# Altium PCB 3rd_eyes.PcbDoc (continued)
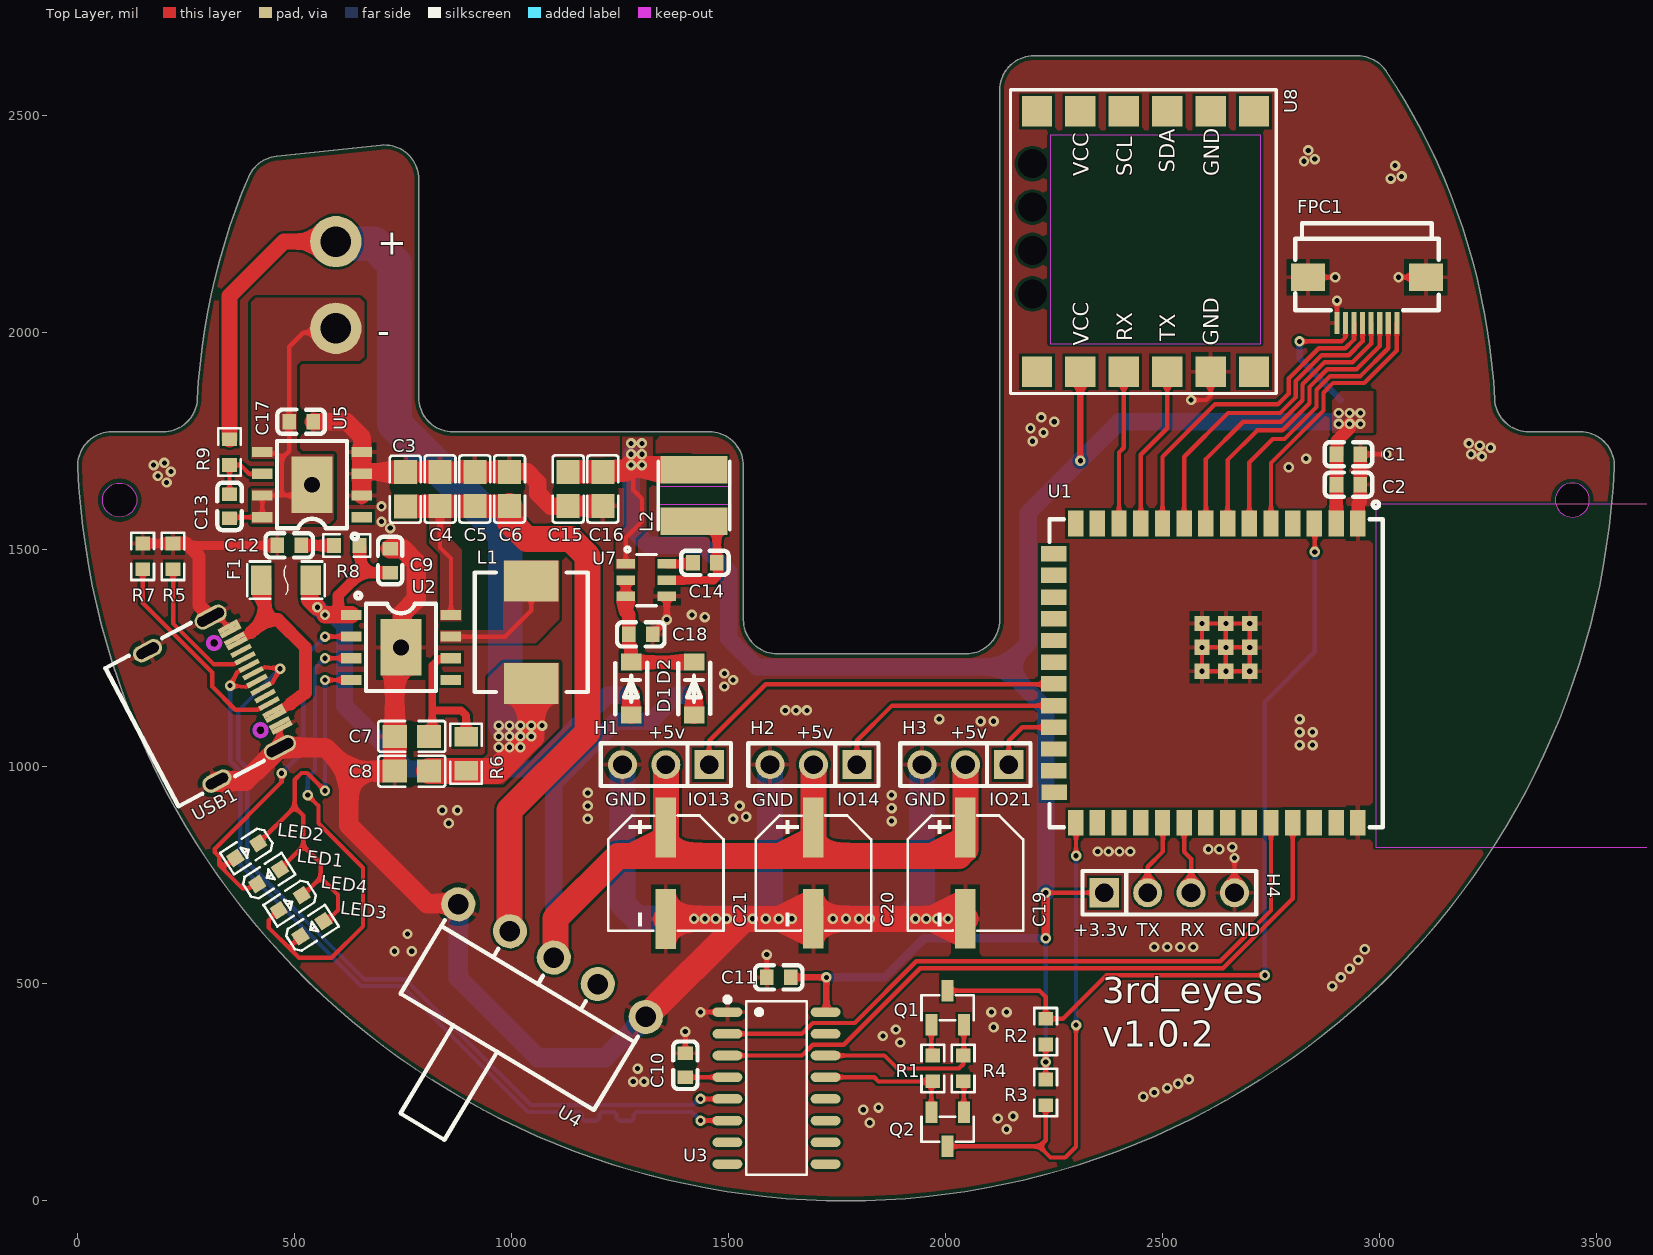
[diagram p0: Top Layer view]
## Footprints (in the part's own frame and the unit in brackets; to place one, negate y for a bottom-side part, rotate by r counter-clockwise, add the part's x,y. Pads: shape width x height; smd on the part's side, far side on the other; paste and mask are expansions set on the pad) (continued)
  Keep-Out Layer circle w0.254: c2.89,1.235 r0.35
  Keep-Out Layer circle w0.025: c2.89,1.235 r0.35
  Keep-Out Layer circle w0.254: c-2.89,1.235 r0.35
  Keep-Out Layer circle w0.025: c-2.89,1.235 r0.35
  silkscreen extent -4.57,-5.08 4.57,0.57, body extent -4.47,-4.93 4.47,2.88, height 3.25
WIRELM-SMD_ESP32-S3-WROOM-1U [mm]
  rect 1.5x0.9 smd paste+0 mask+0.05: 1(-8.75,8.895) 2(-8.75,7.625) 3(-8.75,6.355) 4(-8.75,5.085) 5(-8.75,3.815) 6(-8.75,2.545) 7(-8.75,1.275) 8(-8.75,0.005) 9(-8.75,-1.265) 10(-8.75,-2.535) 11(-8.75,-3.805) 12(-8.75,-5.075) 13(-8.75,-6.345) 14(-8.75,-7.615) 27(8.75,-7.615) 28(8.75,-6.345) 29(8.75,-5.075) 30(8.75,-3.805) 31(8.75,-2.535) 32(8.75,-1.265) 33(8.75,0.005) 34(8.75,1.275) 35(8.75,2.545) 36(8.75,3.815) 37(8.75,5.085) 38(8.75,6.355) 39(8.75,7.625) 40(8.75,8.895)
  rect 0.9x1.5 smd paste+0 mask+0.05: 15(-6.985,-8.895) 16(-5.715,-8.895) 17(-4.445,-8.895) 18(-3.175,-8.895) 19(-1.905,-8.895) 20(-0.635,-8.895) 21(0.635,-8.895) 22(1.905,-8.895) 23(3.175,-8.895) 24(4.445,-8.895) 25(5.715,-8.895) 26(6.985,-8.865)
  rect 0.9x0.9 smd: 41(-2.9,1.175) 41(-2.9,2.575) 41(-2.9,-0.225) 41(-1.5,2.575) 41(-1.5,1.175) 41(-1.5,-0.225) 41(-0.1,2.575) 41(-0.1,1.175) 41(-0.1,-0.225)
  silkscreen extent -10.04,-9.14 9.02,10.36, body extent -9.01,-9.11 9.01,10.1, height 3.21

## Part data
C1 C10 C11 C14: library part CL10B104KB8NNNC, JLCPCB Part Class="Extended Part", LCSC Part Name="100nF ±10% 50V", Manufacturer=SAMSUNG(三星), Temperature Coefficient=X7R, Tolerance=±10%, Voltage Rated=50V, Add into BOM=yes, Convert to PCB=yes, Datasheet=https://atta.szlcsc.com/upload/public/pdf/source/20160218/1457707763339.pdf, Device=CL10B104KB8NNNC, Manufacturer Part=CL10B104KB8NNNC, Supplier=LCSC, Supplier Footprint=0603, Supplier Part=C1591, Symbol=CL10B104KB8NNNC
C2: library part CL10A105KB8NNNC, JLCPCB Part Class="Basic Part", LCSC Part Name="1uF ±10% 50V", Manufacturer=SAMSUNG(三星), Temperature Coefficient=X5R, Tolerance=±10%, Voltage Rated=50V, Add into BOM=yes, Convert to PCB=yes, Datasheet=https://atta.szlcsc.com/upload/public/pdf/source/20160218/1457707763339.pdf, Device=CL10A105KB8NNNC, Manufacturer Part=CL10A105KB8NNNC, Supplier=LCSC, Supplier Footprint=0603, Supplier Part=C15849, Symbol=CL10A105KB8NNNC
C3 C4 C5 C6 C7 C8 C15 C16: library part CL21A226MAQNNNE, JLCPCB Part Class="Basic Part", LCSC Part Name="22uF ±20% 25V", Manufacturer=SAMSUNG(三星), Temperature Coefficient=X5R, Tolerance=±20%, Voltage Rated=25V, Add into BOM=yes, Convert to PCB=yes, Datasheet=https://atta.szlcsc.com/upload/public/pdf/source/20160218/1457707763339.pdf, Device=CL21A226MAQNNNE, Manufacturer Part=CL21A226MAQNNNE, Supplier=LCSC, Supplier Footprint=0805, Supplier Part=C45783, Symbol=CL21A226MAQNNNE
C9 C12 C18: library part CL10A106MA8NRNC, JLCPCB Part Class="Basic Part", LCSC Part Name="10uF ±20% 25V", Manufacturer=SAMSUNG(三星), Temperature Coefficient=X5R, Tolerance=±20%, Voltage Rated=25V, Add into BOM=yes, Convert to PCB=yes, Datasheet=https://atta.szlcsc.com/upload/public/pdf/source/20160218/1457707763339.pdf, Device=CL10A106MA8NRNC, Manufacturer Part=CL10A106MA8NRNC, Supplier=LCSC, Supplier Footprint=0603, Supplier Part=C96446, Symbol=CL10A106MA8NRNC
C13: library part CL10A475KO8NNNC, JLCPCB Part Class="Basic Part", LCSC Part Name="4.7uF ±10% 16V", Manufacturer=SAMSUNG(三星), Temperature Coefficient=X5R, Tolerance=±10%, Voltage Rated=16V, Add into BOM=yes, Convert to PCB=yes, Datasheet=https://atta.szlcsc.com/upload/public/pdf/source/20160218/1457707763339.pdf, Device=CL10A475KO8NNNC, Manufacturer Part=CL10A475KO8NNNC, Supplier=LCSC, Supplier Footprint=0603, Supplier Part=C19666, Symbol=CL10A475KO8NNNC
C17: library part CL10A225KB8NNNC, JLCPCB Part Class="Extended Part", LCSC Part Name="2.2uF ±10% 50V", Manufacturer=SAMSUNG(三星), Temperature Coefficient=X5R, Tolerance=±10%, Voltage Rated=50V, Add into BOM=yes, Convert to PCB=yes, Datasheet=https://atta.szlcsc.com/upload/public/pdf/source/20160218/1457707763339.pdf, Device=CL10A225KB8NNNC, Manufacturer Part=CL10A225KB8NNNC, Supplier=LCSC, Supplier Footprint=0603, Supplier Part=C913904, Symbol=CL10A225KB8NNNC
C19 C20 C21: library part OVZ221M0JTR-0606, Equivalent Series Resistance(ESR)=-, JLCPCB Part Class="Extended Part", LCSC Part Name="220uF ±20% 6.3V", Lifetime @ Temp=2000hrs@105℃, Manufacturer=lelon(立隆), Operating Temperature=-55℃~+105℃, Ripple Current=3.16A@100kHz, Tolerance=±20%, Voltage Rated=6.3V, Add into BOM=yes, Convert to PCB=yes, Datasheet=https://atta.szlcsc.com/upload/public/pdf/source/20180224/C182403_15194369721561364002.pdf, Device=OVZ221M0JTR-0606, Diameter=6.3mm, Height - Seated (Max)=5.9mm, Lead Spacing=-, Manufacturer Part=OVZ221M0JTR-0606, Supplier=LCSC, Supplier Footprint=SMD,D6.3xL5.9mm, Supplier Part=C182403, Symbol=OVZ221M0JTR-0606, Type=-
D1 D2: Forward Voltage (Vf@If)=550mV@1A, JLCPCB Part Class="Extended Part", LCSC Part Name="电压:40V 电流:1A", Manufacturer=Hottech(合科泰), Rectified Current=1A, Reverse Voltage (Vr)=40V, Add into BOM=yes, Convert to PCB=yes, Datasheet=https://atta.szlcsc.com/upload/public/pdf/source/20220428/72E7AB72DDDD17C14C2A3F6F251D8FA3.pdf, Device=SS14L, Manufacturer Part=SS14L, Supplier=LCSC, Supplier Footprint=SOD-123FL, Supplier Part=C190475, Symbol=SS14L_C190475
F1: Breaking Capacity=50A, Current Rating=3A, JLCPCB Part Class="Extended Part", LCSC Part Name=贴片式保险丝, Manufacturer=LANSON(良胜), Operating Temperature=-55℃~+125℃, Voltage Rating (DC)=63V, Add into BOM=yes, Convert to PCB=yes, Datasheet=https://atta.szlcsc.com/upload/public/pdf/source/20180301/C182975_15198945731771384144.pdf, Device=12H1300C, Manufacturer Part=12H1300C, Supplier=LCSC, Supplier Footprint=1206, Supplier Part=C182445, Symbol=12H1300C, Type=贴片式保险丝
FPC1: JLCPCB Part Class="Extended Part", LCSC Part Name="间距:0.5mm P数:8P 翻盖式 下接", Manufacturer=JS(钜硕电子), Add into BOM=yes, Contact Type=下接, Convert to PCB=yes, Datasheet=https://atta.szlcsc.com/upload/public/pdf/source/20190816/C413942_2A72D1AC756EAE17EEDF756A339D4500.pdf, Device=AFC01-S08FCA-00, FFC, FCB Thickness=0.3mm, Height Above Board=2mm, Locking Feature=翻盖式, Manufacturer Part=AFC01-S08FCA-00, Mounting Type=卧贴, Number of Contacts=8P, Pitch=0.5mm, Supplier=LCSC, Supplier Footprint=SMD,P=0.5mm,卧贴, Supplier Part=C262657, Symbol=AFC01-S08FCA-00
H1 H2 H3: Color=黑色, Current Rating (Max)=3A, JLCPCB Part Class="Extended Part", LCSC Part Name="间距:2.54mm 1x3P 直插 方针", Manufacturer=XFCN(兴飞), Operating Temperature Range=-40℃~+105℃, Voltage Rating (Max)=250V, Add into BOM=yes, Circluar Pins/Square Pins=方针, Convert to PCB=yes, Datasheet=https://atta.szlcsc.com/upload/public/pdf/source/20200309/C492402_8335C3D49C4E4C618838D59BB1D024C1.pdf, Device=PZ254V-11-03P, Insulation Height=2.5mm, Length of End Connection Pin=3mm, Length of Mating Pin=6mm, Manufacturer Part=PZ254V-11-03P, Mounting Type=直插, Number of Pins=3P, Number of Rows=单排, Pin Structure=1x3P, Pitch=2.54mm, Row Spacing=-, Supplier=LCSC, Supplier Footprint=插件,P=2.54mm, Supplier Part=C2937625, Symbol=PZ254V-11-03P_C2937625
H4: library part PZ254V-11-04P_C492403, Color=黑色, Current Rating (Max)=-, JLCPCB Part Class="Extended Part", LCSC Part Name="间距:2.54mm 1x4P 直插 方针", Manufacturer=XFCN(兴飞), Operating Temperature Range=-40℃~+105℃, Add into BOM=yes, Circluar Pins/Square Pins=方针, Contact Material=黄铜, Contact Plating=-, Convert to PCB=yes, Datasheet=https://atta.szlcsc.com/upload/public/pdf/source/20200309/C492403_F9F19131791D08044AD4F84F8E751A34.pdf, Device=PZ254V-11-04P_C492403, Insulation Height=2.5mm, Length of End Connection Pin=3mm, Length of Mating Pin=6mm, Manufacturer Part=PZ254V-11-04P, Mounting Type=直插, Number of Pins=4P, Number of Rows=单排, Pin Structure=1x4P, Pitch=2.54mm, Row Spacing=-, Supplier=LCSC, Supplier Footprint=插件,P=2.54mm, Supplier Part=C492403, Symbol=PZ254V-11-04P, Voltage Rating (Max)=-
L1: library part FXL0630-1R0-M, DC Resistance (DCR)=7.4mΩ, JLCPCB Part Class="Extended Part", LCSC Part Name="1uH ±20% 15A", Manufacturer=cjiang(长江微电), Rated Current=12A, Saturation Current (Isat)=15A, Tolerance=±20%, Add into BOM=yes, Convert to PCB=yes, Datasheet=https://atta.szlcsc.com/upload/public/pdf/source/20240426/3189EA8206330E2108542F9E34E540E7.pdf, Device=FXL0630-1R0-M, Manufacturer Part=FXL0630-1R0-M, Supplier=LCSC, Supplier Footprint=SMD,6.6x7mm, Supplier Part=C167216, Symbol=FXL0630-1R0-M, Type=一体成型电感
L2: library part FNR4030S3R9MT, DC Resistance (DCR)=74mΩ, JLCPCB Part Class="Extended Part", LCSC Part Name="3.9uH ±20% 3.3A", Manufacturer=cjiang(长江微电), Rated Current=2.3A, Saturation Current (Isat)=3.3A, Tolerance=±20%, Add into BOM=yes, Convert to PCB=yes, Datasheet=https://atta.szlcsc.com/upload/public/pdf/source/20190327/C167925_9EFF0AABC4CA629C2CC95961DBF7D39D.pdf, Device=FNR4030S3R9MT, Manufacturer Part=FNR4030S3R9MT, Supplier=LCSC, Supplier Footprint=SMD,4x4mm, Supplier Part=C167872, Symbol=FNR4030S3R9MT
LED1 LED2 LED3 LED4: Emitted Color=黄色, Forward Current=20mA, Forward Voltage (VF)=1.6V~2.6V, JLCPCB Part Class="Extended Part", Lens Color=无色透明透镜, Manufacturer=国星光电, Operating Temperature=-30℃~+85℃, Power Dissipation=65mW, Add into BOM=yes, Convert to PCB=yes, Datasheet=https://atta.szlcsc.com/upload/public/pdf/source/20200820/C84268_8FC106CB292CF978F9CFC6892464F83C.pdf, Device=NCD0603Y1, Dominant Wavelength=586nm~595nm, LCSC Part Name=NCD0603Y1, Luminous Intensity=80mcd~220mcd, Manufacturer Part=NCD0603Y1, Supplier=LCSC, Supplier Footprint=0603, Supplier Part=C84268, Symbol=FC-D1608HYK-588J, Viewing Angle=130°
Q1 Q2: library part SS8050_C541705, Collector Current (Ic)=1.5A, Collector Cut-Off Current (Icbo)=150nA, Collector-Emitter Breakdown Voltage (Vceo)=25V, Collector-Emitter Saturation Voltage (VCE(sat)@Ic,Ib)=500mV@800mA,80mA, DC Current Gain (hFE@Ic,Vce)=200@100mA,1V, JLCPCB Part Class="Extended Part", LCSC Part Name="耐压:25V 电流:1.5A NPN", Manufacturer=AnBon(安邦), Operating Temperature=-55℃~+150℃@(Tj), Power Dissipation (Pd)=225mW, Transition Frequency (fT)=-, Add into BOM=yes, Convert to PCB=yes, Datasheet=https://atta.szlcsc.com/upload/public/pdf/source/20200522/C541705_DD3461D9C64B1D59801CB3041082AFC6.pdf, Device=SS8050_C541705, Manufacturer Part=SS8050, Supplier=LCSC, Supplier Footprint=SOT-23, Supplier Part=C541705, Symbol=SS8050_C541705, Transistor Type=NPN
R1 R2 R3 R4: library part 0603WAF1002T5E, JLCPCB Part Class="Basic Part", LCSC Part Name="厚膜电阻 10kΩ ±1% 100mW", Manufacturer=UNI-ROYAL(厚声), Operating Temperature Range=-55℃~+155℃, Overload Voltage (Max)=75V, Power(Watts)=100mW, Temperature Coefficient=±100ppm/℃, Tolerance=±1%, Add into BOM=yes, Convert to PCB=yes, Datasheet=https://atta.szlcsc.com/upload/public/pdf/source/20200306/C422600_1E6D84923E4A46A82E41ADD87F860B5C.pdf, Device=0603WAF1002T5E, Manufacturer Part=0603WAF1002T5E, Supplier=LCSC, Supplier Footprint=0603, Supplier Part=C25804, Symbol=0603WAF1002T5E, Type=厚膜电阻
R5 R7: library part 0603WAF5101T5E, JLCPCB Part Class="Basic Part", LCSC Part Name="5.1kΩ ±1% 100mW 厚膜电阻", Manufacturer=UNI-ROYAL(厚声), Operating Temperature Range=-55℃~+155℃, Overload Voltage (Max)=75V, Power(Watts)=100mW, Temperature Coefficient=±100ppm/℃, Tolerance=±1%, Add into BOM=yes, Convert to PCB=yes, Datasheet=https://atta.szlcsc.com/upload/public/pdf/source/20200306/C422600_1E6D84923E4A46A82E41ADD87F860B5C.pdf, Device=0603WAF5101T5E, Manufacturer Part=0603WAF5101T5E, Supplier=LCSC, Supplier Footprint=0603, Supplier Part=C23186, Symbol=0603WAF5101T5E, Type=厚膜电阻
R6: library part FRL0805JR500TS, JLCPCB Part Class="Extended Part", LCSC Part Name="500mΩ ±5% 125mW 厚膜电阻", Manufacturer=FOJAN(富捷), Operating Temperature Range=-55℃~+155℃, Overload Voltage (Max)=300V, Power(Watts)=125mW, Temperature Coefficient=±300ppm/℃, Tolerance=±5%, Add into BOM=yes, Convert to PCB=yes, Datasheet=https://atta.szlcsc.com/upload/public/pdf/source/20211221/925EC7D7225764EE0046F22065062C87.pdf, Device=FRL0805JR500TS, Manufacturer Part=FRL0805JR500TS, Supplier=LCSC, Supplier Footprint=0805, Supplier Part=C2934281, Symbol=FRL0805JR500TS, Type=厚膜电阻
R8: library part 0603WAF200KT5E, JLCPCB Part Class="Basic Part", LCSC Part Name="2Ω ±1% 100mW 厚膜电阻", Manufacturer=UNI-ROYAL(厚声), Operating Temperature Range=-55℃~+155℃, Overload Voltage (Max)=75V, Power(Watts)=100mW, Temperature Coefficient=±200ppm/℃, Tolerance=±1%, Add into BOM=yes, Convert to PCB=yes, Datasheet=https://atta.szlcsc.com/upload/public/pdf/source/20200306/C422600_1E6D84923E4A46A82E41ADD87F860B5C.pdf, Device=0603WAF200KT5E, Manufacturer Part=0603WAF200KT5E, Supplier=LCSC, Supplier Footprint=0603, Supplier Part=C22977, Symbol=0603WAF200KT5E, Type=厚膜电阻
R9: library part 0603WAF1000T5E, JLCPCB Part Class="Basic Part", LCSC Part Name="100Ω ±1% 100mW 厚膜电阻", Manufacturer=UNI-ROYAL(厚声), Operating Temperature Range=-55℃~+155℃, Overload Voltage (Max)=75V, Power(Watts)=100mW, Temperature Coefficient=±200ppm/℃, Tolerance=±1%, Add into BOM=yes, Convert to PCB=yes, Datasheet=https://atta.szlcsc.com/upload/public/pdf/source/20200306/C422600_1E6D84923E4A46A82E41ADD87F860B5C.pdf, Device=0603WAF1000T5E, Manufacturer Part=0603WAF1000T5E, Supplier=LCSC, Supplier Footprint=0603, Supplier Part=C22775, Symbol=0603WAF1000T5E, Type=厚膜电阻
U1: JLCPCB Part Class="Extended Part", Manufacturer=ESPRESSIF(乐鑫), Add into BOM=yes, Convert to PCB=yes, Datasheet=https://atta.szlcsc.com/upload/public/pdf/source/20240130/9D71F4DF55874C504AB629FEEE3F038E.pdf, Device=ESP32-S3-WROOM-1U-N16R8, LCSC Part Name=ESP32-S3-WROOM-1U-N16R8, Manufacturer Part=ESP32-S3-WROOM-1U-N16R8, Supplier=LCSC, Supplier Footprint=SMD,18x19.2mm, Supplier Part=C3013946, Symbol=ESP32-S3-WROOM-1U-N16R8
U2 U5: JLCPCB Part Class="Extended Part", Manufacturer=INJOINIC(英集芯), Add into BOM=yes, Convert to PCB=yes, Supplier=LCSC, Supplier Footprint=ESOP-8
  U2: Datasheet=https://atta.szlcsc.com/upload/public/pdf/source/20190627/C384572_9925B3DDC4041BC6108E5AB46A2A0AB1.pdf, Device=IP5306, LCSC Part Name=IP5306, Manufacturer Part=IP5306, Supplier Part=C181692, Symbol=IP5306
  U5: Datasheet=https://atta.szlcsc.com/upload/public/pdf/source/20181019/C181685_8FCD62B90ABBC24A3EFF28CA6DF89AAB.pdf, Device=IP3005A, LCSC Part Name=IP3005A, Manufacturer Part=IP3005A, Supplier Part=C181685, Symbol=IP3005A
U3: JLCPCB Part Class="Extended Part", LCSC Part Name="CH340C USB转串口芯片 CH340", Manufacturer=WCH(南京沁恒), Supply Voltage=3.3V；5V, Add into BOM=yes, Applications Function=收发器, Convert to PCB=yes, Data Rate=2Mbps, Datasheet=https://atta.szlcsc.com/upload/public/pdf/source/20240619/63986D8440D4E5267A77ACD891CC4DE3.pdf, Device=CH340C, Manufacturer Part=CH340C, Protocol="USB 2.0", Supplier=LCSC, Supplier Footprint=SOP-16, Supplier Part=C84681, Symbol=CH340C
U4: JLCPCB Part Class="Extended Part", LCSC Part Name="拨动开关 KH-SS12F23-G6", Manufacturer=kinghelm(金航标), Add into BOM=yes, Convert to PCB=yes, Datasheet=https://atta.szlcsc.com/upload/public/pdf/source/20221118/BFF37B84B5CB1A55659AB56BFB65BEAA.pdf, Device=KH-SS12F23-G6, Manufacturer Part=KH-SS12F23-G6, Supplier=LCSC, Supplier Footprint=插件, Supplier Part=C5274466, Symbol=KH-SS12F23-G6
U6: Colour=-, Current Rating (Max)=10A, Flame Retardant Rating=UL94V-0, JLCPCB Part Class="Extended Part", LCSC Part Name="1x2P 间距:5.08mm 直插 系列:大4pin", Manufacturer=HCTL(华灿天禄), Operating Temperature Range=-25℃~+85℃, Rated Voltage (Max)=250V, Add into BOM=yes, Contact Material=黄铜, Contact Plating=锡, Convert to PCB=yes, Datasheet=https://atta.szlcsc.com/upload/public/pdf/source/20241030/F3FABA2A64EED564336AF49B22573160.pdf, Device=HC-C5080-2AS, Manufacturer Part=HC-C5080-2AS, Mounting Style=直插, Number of Pins=2P, Number of PINs Per Row=2, Number of Rows=1, Pins Structure=1x2P, Pitch=5.08mm, Plastic Material=PA66, Reference Series=大4pin, Row Spacing=-, Supplementary Features=-, Supplier=LCSC, Supplier Footprint=插件,P=5.08mm, Supplier Part=C5221225, Symbol=HC-C5080-2AS, X-Length of Bottom Edge on Board (Spacing Line)=13.84mm, Y-Width of Bottom Edge on Board=8.5mm, Z-Height of the Board=10.5mm
U7: Input Voltage=3.8V~32V, JLCPCB Part Class="Extended Part", LCSC Part Name=3.8V至32V输入、2A低静态电流同步降压转换器，增强EMI抑制, Manufacturer=DIODES(美台), Operating Temperature=-40℃~+85℃@(TA), Output Current=2A, Output Voltage=3.3V, Quiescent Current (Iq)=22uA, Switching Frequency=1.1MHz, Add into BOM=yes, Convert to PCB=yes, Datasheet=https://atta.szlcsc.com/upload/public/pdf/source/20210622/C780769_099C67289BD3EC61AAFB52D8B07125B3.pdf, Device=AP63203WU-7, Function=降压型, Manufacturer Part=AP63203WU-7, Number of Outputs=1, Output Type=固定, Supplier=LCSC, Supplier Footprint=TSOT-23-6, Supplier Part=C780769, Switch tube (built-in/external)=内置, Symbol=AP63203WU-7, Synchronous Rectification=是, Topology=降压式
USB1: Current Rating - Power (Max)=3A, JLCPCB Part Class="Extended Part", LCSC Part Name="Type-C 母 卧贴", Manufacturer=kinghelm(金航标), Operating Temperature Range=-40℃~+85℃, Add into BOM=yes, Connector Type=Type-C, Convert to PCB=yes, Datasheet=https://atta.szlcsc.com/upload/public/pdf/source/20200911/C709357_AA8DCEB38BB20E3035A7ED7AE7667837.pdf, Device=KH-TYPE-C-16P, Gender=母, Manufacturer Part=KH-TYPE-C-16P, Mounting Style=卧贴, Number of Contacts=16P, Number of Ports=1, Standard=-, Supplier=LCSC, Supplier Footprint=SMD, Supplier Part=C709357, Symbol=KH-TYPE-C-16P

## Free pads (board coordinates)
  round 60 hole 36: 3(540,1650) 4(745,1275)
  round 24 hole 12: 5(2590,1330.24) 6(2645.12,1330.24) 7(2700.24,1330.24) 8(2700.24,1275.12) 9(2645.12,1275.12) 10(2590,1275.12) 11(2590,1220) 12(2645.12,1220) 13(2700.24,1220)

## Via types
v1: diameter 24, hole 12, Top Layer to Bottom Layer, tented both sides, 167 vias

## Nets (pads, with @x,y where several pads share a name; then routed paths per layer and width w, separated by ;. In a path a pad name is that pad's centre, name@x,y a point inside that pad or via, vN(x,y) a via of type N, cw(c..) or ccw(c..) an arc to the next point about the centre after c; other vN are vias at no path point)
D_N: U3.6 USB1.A7 USB1.B7 | length 1974
  Top Layer w10: USB1.B7 368.6,1218.63 v1(351.35,1187.16) 387.08,1183.87 USB1.A7 ; v1(1435,185) U3.6
  Bottom Layer w10: v1(351.35,1187.16) 351.35,1016.35 350,1015 375,990 375,773.37 653.37,495 747.37,495 1037.37,205 1145,205 1155.47,205 1161.47,199 1161.47,191 1167.47,185 1195.47,185 1201.47,191 1201.47,199 1207.47,205 1235.47,205 1241.47,199 1241.47,191 1247.47,185 1275.47,185 1281.47,191 1281.47,199 1287.47,205 1292.47,205 1345,205 1415,205 v1(1435,185)
D_P: U3.5 USB1.A6 USB1.B6 | length 1969.5
  Top Layer w10: USB1.A6 430.82,1229.41 v1(466.55,1226.12) 449.3,1194.65 USB1.B6 ; v1(1435,235) U3.5
  Bottom Layer w10: v1(466.55,1226.12) 370.43,1130 370.43,1017.2 391,996.63 391,780 660,511 754,511 1044,221 1239.94,221 1345,221 1417.21,221 1431.21,235 v1(1435,235)
DTR: Q2.2 R1.2 U3.13 | length 316.8
  Top Layer w10: U3.13 1835,285 1845,275 1964.04,275 1966.68,272.36 Q2.2
EN: Q1.3 R2.1 U1.3 | length 1917.3
  Top Layer w10: Q1.3 2215.63,484.37 2230,470 R2.1 2269.66,419.66 2370,520 v1(2735,520) ; U1.3 2850,1559.61 v1(2850,1495)
  Bottom Layer w10: v1(2735,520) 2735,1150 2850,1265 v1(2850,1495)
GND: C1.1 C2.1 C3.1 C4.1 C5.1 C6.1 C7.1 C8.1 C9.1 C10.1 C11.1 C12.1 C15.2 C16.2 C17.2 C18.1 C19.2 C20.2 C21.2 FPC1.1 FPC1.9 FPC1.10 H1.3 H2.3 H3.3 H4.4 pad.4 pad.5 pad.6 pad.7 pad.8 pad.9 pad.10 pad.11 pad.12 pad.13 R5.2 R7.2 U1.1 U1.40 U1.41 U2.9 U3.1 U4.4 U4.5 U5.2 U5.3 U5.4 U7.4 U8.5 USB1.1 USB1.2 USB1.3 USB1.4 USB1.A1 USB1.A12 USB1.B1 USB1.B12 | length 7887.5
  Top Layer w10: USB1.1 325.33,1344.79 USB1.A1 ; USB1.2 466.2,1085.51 USB1.A12 ; C10.1 v1(1400,390) ; v1(1435,435) U3.1 ; C11.1 v1(1587.44,567.44) ; v1(2565,1845) 2600,1845 2610,1855 U8.5 ; H4.4 v1(2665,790) ; FPC1.10 v1(2897.24,2127.76) ; FPC1.1 v1(2901.1,2073.9) ; C1.1 v1(3015,1720) ; v1(3042.76,2127.76) FPC1.9 ; pad.10 pad.11 pad.12 ; pad.10 pad.5 pad.6 ; pad.10 pad.9 ; pad.12 pad.13 pad.8 ; pad.12 pad.9 ; pad.9 pad.8 ; pad.9 pad.6 ; pad.6 pad.7 pad.8
  Top Layer w15: C18.1 1325,1306.97 v1(1357.24,1339.21) U7.4
  Top Layer w20: R7.2 R5.2 ; 250,1515 255,1510 C12.1
  Top Layer w30: R5.2 220.34,1515 250,1515 ; 255,1510 280,1485 280,1371.29 USB1.1 ; U5.4 U5.4@655,1725.5 ; U1.1 2950,1561.49 2950,1605 2955,1610 C2.1 C1.1
  Top Layer w40: C17.2 620,1795 655,1760 U5.4@655,1725.5 ; U5.2 U5.3 ; U5.4 U5.3 ; C16.2 C15.2 1089.37,1600.63 1060,1630 1060,1655 1035.63,1679.37 C6.1 C5.1 C4.1 670.68,1679.37 669.93,1678.62 658.12,1678.62 U5.3
  Top Layer w45: USB1.4 387.19,967.19 USB1.2@455,1035 ; USB1.2 570.6,1044.45 625.05,990 ; C9.1 748.64,1502.56 780,1471.2 780,1385 747.87,1352.87 747.87,1277.87 U2.9 745,1270.94 730.63,1256.57 C7.1 C8.1 625.05,990 ; U4.5 875.39,685 805,685 625.05,864.95 625.05,990
  Top Layer w60: U4.4 1525,639.9 1525,649.83 ; C21.2 1355.06,649.83 1525,649.83 ; C19.2 2044.88,650 v1(1955,650) 1954.88,649.88 C20.2 1694.94,649.83 1525,649.83
  Bottom Layer w45: U4.5 876.99,513.01 1060,330 1215.1,330 U4.4
  Bottom Layer w60: H1.3 1255,685.15 1290.15,650 v1(1420,650) v1(1445.07,650) v1(1470,650) v1(1495,650) v1(1555,650) v1(1585,650) 1600,650 ; H2.3 1595,655 1600,650 ; H3.3 1945,685.15 1909.85,650 v1(1825,650) v1(1800,650) v1(1770,650) v1(1740,650) v1(1645,650) v1(1615,650) 1600,650
  other v1: 2140,165 1825,180 2120,190 2155,195 1810,210 1845,215 2455,240 2480,250 2510,260 2535,270 1280,275 1305,275 2560,280 1290,305 1895,365 1855,380 1885,395 2110,400 2105,435 2140,435 2890,495 2910,515 2930,535 2950,555 730,575 770,575 2965,580 2480,585 2510,585 2540,585 2570,585 760,615 1930,650 1980,650 2005,650 2350,805 2375,805 2400,805 2425,805 2605,810 2630,810 2660,815 855,870 1875,875 1175,880 1510,880 1540,885 840,900 875,900 1875,905 1175,910 1525,910 1875,935 1175,940 2815,1050 2845,1050 2815,1080 2845,1080 2080,1105 2110,1105 1985,1110 2815,1110 1630,1130 1655,1130 1680,1130 1490,1185 1510,1200 1490,1215 1445,1345 1415,1350 720,1550 700,1565 700,1600 205,1655 185,1670 215,1680 2790,1690 175,1695 200,1700 2830,1710 3235,1715 3210,1720 3255,1735 3230,1740 3205,1745 2200,1750 2225,1770 2195,1780 2250,1795 2220,1805 3025,2355 3050,2360 3035,2385 2825,2395 2850,2400 2835,2420
IO0: Q2.3 R3.1 U1.27 | length 1164.5
  Top Layer w10: Q2.3 2215.63,125.63 ; R3.1 2230,140 2215.63,125.63 ; U1.27 2300,870.63 v1(2300,795) ; v1(2300,405) 2300,125 2275,100 2241.26,100 2215.63,125.63
  Bottom Layer w10: v1(2300,405) v1(2300,795)
NetC7_2: C7.2 R6.1 U2.6 | length 343.2
  Top Layer w18: C7.2 C7.2@815.76,1076.39 ; C7.2@817.17,1077.8 817.17,1233.06 832.3,1248.19 857.69,1248.19 U2.6 ; 819.17,1130 820.59,1130 883.28,1130 895,1118.28 R6.1
NetC10_2: C10.2 U3.4 | length 96.9
  Top Layer w10: C10.2 U3.4
NetC12_2: C12.2 R8.2 | length 75.3
  Top Layer w25: C12.2 R8.2
NetC13_1: C13.1 R9.2 U5.6 | length 151.7
  Top Layer w10: C13.1 R9.2 350.34,1695 375,1695 395,1675 U5.6
NetC13_2: C13.2 C17.1 pad.3 U5.5 U5.7 U5.8 U5.9 U6.2 | length 777.1
  Top Layer w10: C13.2 352.56,1575 U5.8 U5.7 470.25,1625 ; U5.5 428.51,1721.99 458.26,1721.99 470.25,1710 ; U5.9 515,1625 470.25,1625 ; U6.2 585,2000 520,2000 487.44,1967.44 C17.1 487.44,1727.19 470.25,1710 ; 470.25,1625 470.25,1710
NetC14_1: C14.1 U7.6 | length 57.6
  Top Layer w20: U7.6 C14.1@1414.84,1467.4
NetC14_2: C14.2 L2.1 U7.5 | length 234.5
  Top Layer w20: U7.5 1465,1430 1475,1440 C14.2@1475,1467.56 ; C14.2 L2.1@1472.56,1555
NetC19_1: C19.1 C20.1 C21.1 D1.2 H1.2 H2.2 H3.2 U4.2 | length 2541.9
  Top Layer w40: D1.2 v1(1420,1165)
  Top Layer w60: U4.2 1100.61,563.96 1100.61,650.61 1245,795 2030,795 2045,810 H3.2 ; C21.1@1355,815 H1.2 ; C20.1@1695,805 H2.2
  Bottom Layer w40: U4.2 1097.03,962.03 1240,1105 1320,1105 1380,1165 v1(1420,1165)
NetF1_1: F1.1 USB1.A4 USB1.A9 USB1.B4 USB1.B9 | length 534.1
  Top Layer w10: USB1.A4 USB1.A4@366.92,1297.94 ; USB1.B4 USB1.B4@455.43,1131.18
  Top Layer w12: USB1.A4@366.92,1297.94 390,1310 ; USB1.B9 395,1300 ; USB1.B4@455.43,1131.18 480,1145 ; USB1.A9 485,1135
  Top Layer w30: 400,1310 431.22,1338.78 ; F1.1@431.22,1430 431.22,1338.78 ; 490,1145 525,1170.45 525,1275 461.22,1338.78 431.22,1338.78
  Top Layer w40: F1.1@420,1418.78 F1.1@421.22,1420
NetL1_1: L1.1 U2.7 | length 278.5
  Top Layer w10: U2.7 985,1300 1045,1360 L1.1
NetLED1_1: LED1.1 LED2.2 U2.2 | length 875.6
  Top Layer w10: LED2.2@363.61,784.85 LED2.2 359.85,789.85 344.14,774.14 325.86,774.14 ; LED1.1@404.85,729.85 LED1.1 ; LED1.1@413.61,734.85 LED1.1 ; v1(470,985) 470,965 316.29,811.29 316.29,803 325.86,793.43 325.86,774.14 ; v1(570,1300) U2.2 ; 325.86,774.14 380,720 395,720 399.85,724.85 413.61,724.85 LED1.1
  Bottom Layer w10: v1(470,985) 520,1035 520,1250 v1(570,1300)
NetLED1_2: LED1.2 LED2.1 LED3.2 LED4.1 U2.4 | length 1084.3
  Top Layer w10: LED1.2@466.39,759.15 LED1.2 ; LED1.2@466.39,769.15 LED1.2 ; LED4.1@516.39,699.15 LED4.1 ; LED4.1@516.39,709.15 LED4.1 ; LED3.2@566.39,649.15 LED3.2 574.15,644.15 600,670 600,705 560,745 ; v1(570,945) 529.14,985.86 515.86,985.86 500,970 500,907.75 ; v1(570,1200) U2.4 ; LED2.1 416.39,819.15 LED2.1 ; LED2.1 500,907.75 ; LED1.2 520,817.75 ; 500,907.75 520,887.75 520,817.75 ; LED4.1 519.15,704.15 560,745 ; 520,817.75 560,777.75 560,745
  Bottom Layer w10: v1(570,945) v1(570,1200)
NetLED3_1: LED3.1 LED4.2 U2.3 | length 1123.8
  Top Layer w10: LED4.2@463.61,659.85 LED4.2 440,646.25 440,630 491.02,578.98 ; LED3.1 491.02,587.27 491.02,578.98 ; v1(530,935) 555,910 555,870 657.5,767.5 657.5,632.5 585,560 510,560 491.02,578.98 ; v1(570,1250) U2.3
  Bottom Layer w10: v1(530,935) 530,975 547,992 547,1227 v1(570,1250)
NetQ1_1: Q1.1 R1.1 | length 72
  Top Layer w10: Q1.1 1966.68,338.32 R1.1
NetQ2_1: Q2.1 R4.1 | length 71.9
  Top Layer w10: R4.1 2041.48,274.2 Q2.1
NetR5_1: R5.1 USB1.A5 | length 333.6
  Top Layer w10: R5.1 220,1330 314,1236 359.36,1236 USB1.A5
NetR7_1: R7.1 USB1.B5 | length 493.5
  Top Layer w10: R7.1 150,1377.37 310,1217.37 310,1185 363.28,1131.72 414.81,1131.72 USB1.B5
PW_5V: C3.2 C4.2 C5.2 C6.2 U2.8 U4.1 | length 1688.8
  Top Layer w10: C4.2 835,1505 860,1480 860,1350.5 U2.8
  Top Layer w50: C3.2 834.37,1600 C4.2 C5.2 C6.2
  Top Layer w60: C6.2 995,1565.15 1035.15,1525 1135,1525 1175,1485 1175,1080 995,900 995,621.99 U4.1
PW_BAT4.2V: C8.2 L1.2 R6.2 R9.1 U6.1 | length 2339.2
  Top Layer w37: R9.1 350,2085 475,2210 U6.1
  Top Layer w60: C8.2 965,990 v1(1045,1070) L1.2
  Bottom Layer w80: U6.1 600,2205 683.14,2205 730,2158.14 730,1790 985,1535 v1@985,1098.78
  other v1: 970,1045 995,1045 1020,1045 970,1070 995,1070 1020,1070 970,1095 995,1095 1020,1095 1045,1095 1070,1095
PW_D3.3V: C1.2 C2.2 C11.2 C15.1 C16.1 FPC1.2 H4.1 L2.2 R2.2 R3.2 U1.2 U3.16 U7.1 U8.2 | length 5635.3
  Top Layer w10: U7.1 1262.76,1527.76 1300,1565 1300,1617.5 1280,1637.5 1280,1682.13 1277.68,1684.45 1277.68,1688.79 v1@1279.44,1690.56 ; v1@1280,1695 v1(1300,1695) ; R3.2 v1(2230,320) R2.2 ; v1(2230,710) H4.1 ; v1(2814.8,1980) 2911.42,1980 2920.71,1989.29 FPC1.2
  Top Layer w15: C11.2 v1(1725,515) 1725,436.71 U3.16@1723.29,435 ; v1(2310,1705) U8.2
  Top Layer w20: U3.16 U3.16@1723.29,435 ; v1(2230,605) v1(2230,710)
  Top Layer w30: U1.2 2899.06,1647.21 2899.88,1648.03 C2.2 C1.2 2900.63,1720.75 2900.63,1750.63 2930,1780 v1(2930,1790)
  Top Layer w50: C15.1 C16.1 1210,1680.55 1211.58,1682.13 1262.13,1682.13 ; v1(1275,1695) 1279.44,1690.56 1413.5,1690.56 L2.2
  Bottom Layer w10: v1(2230,320) v1(2230,605)
  Bottom Layer w15: v1(2814.8,1980) 2814.8,1940.2 2910,1845
  Bottom Layer w20: v1(1725,515) 1860,515 1950,605 v1(2230,605)
  Bottom Layer w40: v1(1275,1720) v1(1275,1695) ; v1(1300,1695) v1(1275,1695) ; v1(2230,710) 2230,1135 2135,1230 ; v1@2895,1795 2400,1795 v1(2310,1705) 2190,1585 2190,1285 2135,1230 ; v1(1275,1695) 1275,1550 1315,1510 1440,1510 1500,1450 1500,1295 1565,1230 2135,1230
  other v1: 1300,1720 1275,1745 1300,1745 2905,1790 2955,1790 2905,1815 2930,1815 2955,1815
PW_D5V: C18.2 D1.1 D2.1 U7.2 U7.3 | length 339.1
  Top Layer w20: U7.3 U7.2
  Top Layer w31.5: U7.3 1262.76,1357.24 1270,1350 1270,1305.12 C18.2 1270,1304.88 1270,1280 1275,1275 D2.1 D1.1
PW_USB5V: C9.2 D2.2 F1.2 R8.1 U2.1 | length 1482.9
  Top Layer w25: 600.25,1350 600.25,1394.75 652.94,1447.44 ; R8.1 652.94,1506.72 652.94,1447.44 ; C9.2 652.94,1447.44
  Top Layer w40: F1.2 535,1428.11 535,1385 v1(552.5,1367.5) ; v1(570,1350) 600.25,1350 U2.1 ; D2.2 v1(1275,1165)
  Bottom Layer w40: v1(552.5,1367.5) v1(570,1350) 590,1350 615,1325 615,1140 760,995 1050,995 1220,1165 v1(1275,1165)
PWM1: H1.1 U1.21 | length 903
  Top Layer w10: H1.1 1455,1060 1585,1190 2247.61,1190 U1.21
PWM2: H2.1 U1.22 | length 542.2
  Top Layer w10: H2.1 1795,1060 1876.06,1141.06 U1.22
PWM3: H3.1 U1.23 | length 171.5
  Top Layer w10: H3.1 2145,1060 2176.06,1091.06 U1.23
RESET: FPC1.5 U1.8 | length 708.5
  Top Layer w10: U1.8 2599.06,1709.06 2685,1795 2772.37,1795 2821.72,1844.35 2821.72,1881.47 2872.25,1932 2937,1932 2979.84,1974.84 FPC1.5
RTS: Q1.2 R4.2 U3.14 | length 424.7
  Top Layer w10: U3.14 1858.49,335 1888.49,305 2030,305 2040,315 R4.2 2041.48,336.48 Q1.2
RXD: U1.36 U3.2 | length 1572.3
  Top Layer w10: U3.2 1668.62,385 1693.62,410 1790,410 1932,552 2632,552 2749.06,669.06 U1.36
SPI_SCL: FPC1.3 U1.10 | length 765.2
  Top Layer w10: U1.10 2499.06,1714.06 2620,1835 2765,1835 2789.72,1859.72 2789.72,1894.72 2859,1964 2919.94,1964 2940.47,1984.53 FPC1.3
SPI_SDA: FPC1.4 U1.9 | length 738.7
  Top Layer w10: U1.9 2549.06,1714.06 2650,1815 2769.75,1815 2805.72,1850.98 2805.72,1888.1 2865.63,1948 2928,1948 2960.16,1980.16 FPC1.4
TFT_BLK: FPC1.8 U1.5 | length 623.8
  Top Layer w10: U1.5 2749.06,1700 2870,1820.94 2870,1861.86 2892.14,1884 2964,1884 3038.9,1958.9 FPC1.8
TFT_CS: FPC1.7 U1.6 | length 650.8
  Top Layer w10: U1.6 2699.06,1700.94 2753.12,1755 2780,1755 2854,1829 2854,1868.49 2885.51,1900 2955,1900 3019.21,1964.21 FPC1.7
TFT_DC: FPC1.6 U1.7 | length 680
  Top Layer w10: U1.7 2649.08,1706.8 2717.28,1775 2775,1775 2837.72,1837.72 2837.72,1874.84 2878.88,1916 2946,1916 2999.53,1969.53 FPC1.6
TXD: U1.37 U3.3 | length 1627
  Top Layer w10: U3.3 1668.62,335 1693.62,360 1765,360 1941,536 2638.63,536 2799.06,696.43 U1.37
UART1_RX: U1.11 U8.4 | length 374.7
  Top Layer w10: U1.11 2449.06,1719.06 2510,1780 U8.4
UART1_TX: U1.12 U8.3 | length 354
  Top Layer w10: U1.12 2399.06,1724.06 2410,1735 U8.3
UART2_RX: H4.3 U1.32 | length 168.2
  Top Layer w10: U1.32 2549.06,804.06 2565,788.12 H4.3
UART2_TX: H4.2 U1.31 | length 176.5
  Top Layer w10: H4.2 2465,770 2500,805 2500,870.63 U1.31
pads on no net: U1.4 U1.13 U1.14 U1.15 U1.16 U1.17 U1.18 U1.19 U1.20 U1.24 U1.25 U1.26 U1.28 U1.29 U1.30 U1.33 U1.34 U1.35 U1.38 U1.39 U2.5 U3.7 U3.8 U3.9 U3.10 U3.11 U3.12 U3.15 U4.3 U5.1 U8.0 U8.1 U8.6 U8.7 U8.8 U8.9 U8.10 U8.11 U8.12 USB1.A8 USB1.B8

## Polygon pours and split planes (outlines as drawn)
GND on Top Layer "GND_L01_P017" (solid, remove dead copper, pour order 17): 0.34,1689.5 cw(c78.99,1693.16) 78.99,1771.9 197.24,1771.9 ccw(c197.24,1850.64) 275.88,1846.71 cw(c1770.07,1771.9) 394.1,2359.2 cw(c466.52,2328.29) 458.25,2406.6 698.81,2432 cw(c707.08,2353.7) 785.82,2353.7 785.82,1850.64 ccw(c864.56,1850.64) 864.56,1771.9 1455.11,1771.9 cw(c1455.11,1693.16) 1533.85,1693.16 1533.85,1338.83 ccw(c1612.59,1338.83) 1612.59,1260.09 2045.66,1260.09 ccw(c2045.66,1338.83) 2124.4,1338.83 2124.4,2559.31 cw(c2203.14,2559.31) 2203.14,2638.05 2948.55,2638.05 cw(c2948.55,2559.31) 3014.02,2603.05 cw(c1770.07,1771.9) 3264.26,1846.71 ccw(c3342.9,1850.64) 3342.9,1771.9 3461.15,1771.9 cw(c3461.15,1693.16) 3539.81,1689.5 cw(c1770.07,1771.9)
PW_D3.3V on Top Layer "PW_D3.3V_L01_P013" (solid, pour order 13): 2890,1845 2890,1770 2985,1770 2985,1865 2910,1865
PW_D3.3V on Top Layer "PW_D3.3V_L01_P011" (solid, pour order 11): 1255,1760 1255,1690 1325,1690 1325,1760
PW_BAT4.2V on Top Layer "PW_BAT4.2V_L01_P008" (solid, pour order 8): 935,1020 945,1030 945,1205 980,1240 1110,1240 1110,1105 1110,1100 1110,1090 980,960 865,960 865,1015 870,1020
PW_D3.3V on Top Layer "PW_D3.3V_L01_P006" (solid, pour order 6): 1285,1525 1310,1550 1310,1680 1265,1680 1265,1555 1240,1530 1240,1455 1285,1455 1240,1455 1285,1455
PW_5V on Top Layer "PW_5V_L01_P005" (solid, pour order 5): 885,1335 885,1500 860,1525 860,1620 810,1620 810,1515 835,1490 835,1335
NetL1_1 on Top Layer "NETL1_1_L01_P003" (solid, pour order 3): 835,1315 980,1315 980,1475 1110,1475 1110,1340 1055,1285 835,1285
NetC13_2 on Top Layer "NETC13_2_L01_P002" (solid, pour order 2): 400,1640 400,1560 580,1560 590,1570 590,1720 515,1720 505,1730 505,1925 515,1935 650,1935 660,1945 660,2070 650,2080 410,2080 400,2070 400,1710 460,1710 460,1640
GND on Bottom Layer "GND_L02_P018" (solid, remove dead copper, pour order 18): 0.34,1689.5 cw(c78.99,1693.16) 78.99,1771.9 197.24,1771.9 ccw(c197.24,1850.64) 275.88,1846.71 cw(c1770.07,1771.9) 394.1,2359.2 cw(c466.52,2328.29) 458.25,2406.6 698.81,2432 cw(c707.08,2353.7) 785.82,2353.7 785.82,1850.64 ccw(c864.56,1850.64) 864.56,1771.9 1455.11,1771.9 cw(c1455.11,1693.16) 1533.85,1693.16 1533.85,1338.83 ccw(c1612.59,1338.83) 1612.59,1260.09 2045.66,1260.09 ccw(c2045.66,1338.83) 2124.4,1338.83 2124.4,2559.31 cw(c2203.14,2559.31) 2203.14,2638.05 2948.55,2638.05 cw(c2948.55,2559.31) 3014.02,2603.05 cw(c1770.07,1771.9) 3264.26,1846.71 ccw(c3342.9,1850.64) 3342.9,1771.9 3461.15,1771.9 cw(c3461.15,1693.16) 3539.81,1689.5 cw(c1770.07,1771.9)
PW_D3.3V on Bottom Layer "PW_D3.3V_L02_P012" (solid, pour order 12): 2890,1845 2890,1770 2985,1770 2985,1865 2910,1865
PW_D3.3V on Bottom Layer "PW_D3.3V_L02_P010" (solid, pour order 10): 1255,1760 1255,1690 1325,1690 1325,1760
PW_BAT4.2V on Bottom Layer "PW_BAT4.2V_L02_P007" (solid, pour order 7): 945,1030 945,1205 945,1265 1013.89,1265 1045,1240 1110,1240 1110,1105 1035,1030

## Keep-outs
Top Layer:
  rectangle: 2240,1975 2725,2455
  rectangle: 2990.06,815 3650,1605
  rectangle: 1340,1605 1500,1645
  rectangle: 1340,1605 1500,1645
Bottom Layer:
  rectangle: 2240,1975 2725,2455
  rectangle: 2990.06,815 3650,1605
  rectangle: 1340,1605 1500,1645

## Silkscreen, mask and mechanical layers (free items; w line width, h text height)
Top Overlay:
  text "+" at 690,2180 h60
  text "-" at 690,1975.01 h60
  text "+5v" at 1315,1065 h30
  text "+5v" at 1655,1065 h30
  text "+5v" at 2010,1065 h30
  text "GND" at 1215,910 h30
  text "IO13" at 1405,910 h30
  text "GND" at 1554.64,909.74 h30
  text "IO14" at 1750,910 h30
  text "GND" at 1905,910 h30
  text "IO21" at 2100,910 h30
  text "+3.3v" at 2295,610 h30
  text "TX" at 2440,610 h30
  text "RX" at 2540,610 h30
  text "GND" at 2630,610 h30
  text "3rd_eyes" at 2360,454.99 h60
  text "v1.0.2" at 2360,355 h60
Bottom Overlay:
  text "+" at 690,2180 h60
  text "-" at 690,1975.01 h60
Mechanical 1:
  circle w0.5: c96.84,1614.42 r39.37
  circle w0.5: c3443.3,1614.42 r39.37
  lines w0.5: 0.34,1689.5 ccw(c1770.07,1771.9) 3539.81,1689.5 ccw(c3461.15,1693.16) 3461.15,1771.9 3342.9,1771.9 cw(c3342.9,1850.64) 3264.26,1846.71 ccw(c1770.07,1771.9) 3014.02,2603.05 ccw(c2948.55,2559.31) 2948.55,2638.05 2203.14,2638.05 ccw(c2203.14,2559.31) 2124.4,2559.31 2124.4,1338.83 cw(c2045.66,1338.83) 2045.66,1260.09 1612.59,1260.09 cw(c1612.59,1338.83) 1533.85,1338.83 1533.85,1693.16 ccw(c1455.11,1693.16) 1455.11,1771.9 864.56,1771.9 cw(c864.56,1850.64) 785.82,1850.64 785.82,2353.7 ccw(c707.08,2353.7) 698.81,2432 458.25,2406.59 ccw(c466.52,2328.29) 394.1,2359.2 ccw(c1770.07,1771.9) 275.88,1846.71 cw(c197.24,1850.64) 197.24,1771.9 78.99,1771.9 ccw(c78.99,1693.16) 0.34,1689.5
Drill Drawing:
  text ".Legend" at 3805,385 h60

## Text inside footprints (layer, text, board x,y; h text height)
U8: Top Overlay "VCC" at 2329,1970 h35 r90; Top Overlay "VCC" at 2329,2360 h35 r90; Top Overlay "GND" at 2629,1970 h35 r90; Top Overlay "GND" at 2629.84,2360.21 h35 r90; Top Overlay "RX" at 2429,1980 h35 r90; Top Overlay "TX" at 2529,1980 h35 r90; Top Overlay "SDA" at 2527.35,2368.43 h35 r90; Top Overlay "SCL" at 2429,2360 h35 r90